# Altium PCB 03200904张晨.PcbDoc
Units mil, origin at the board's own origin, x right, y up, seen from the top; angles counter-clockwise.
Board outline 1377.95 x 669.29 mil, 2 copper layers (Top Layer, Bottom Layer); 18 components, 29 nets, 61 pads, 17 vias.
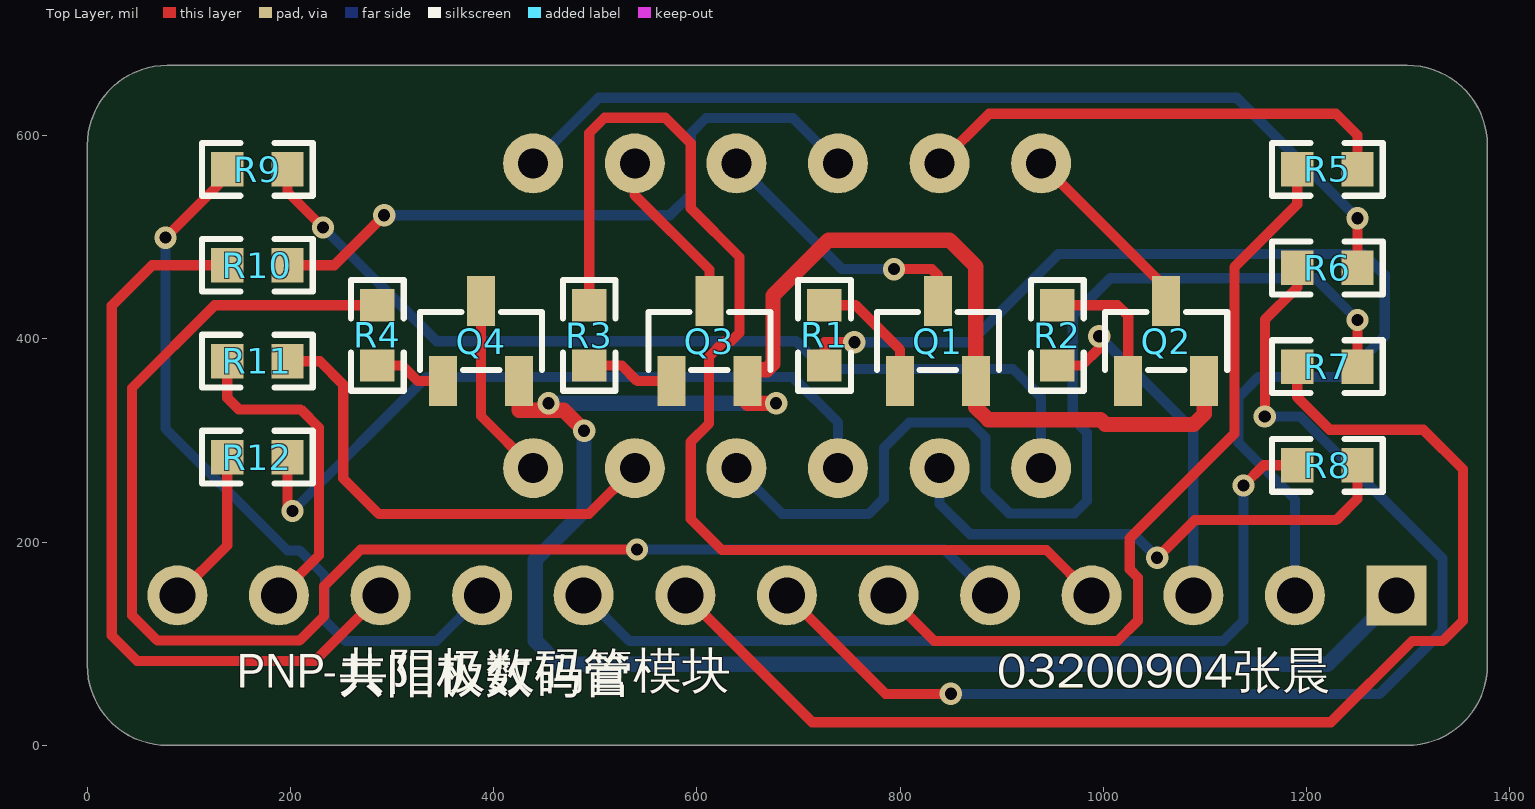
[diagram p0: Top Layer view]
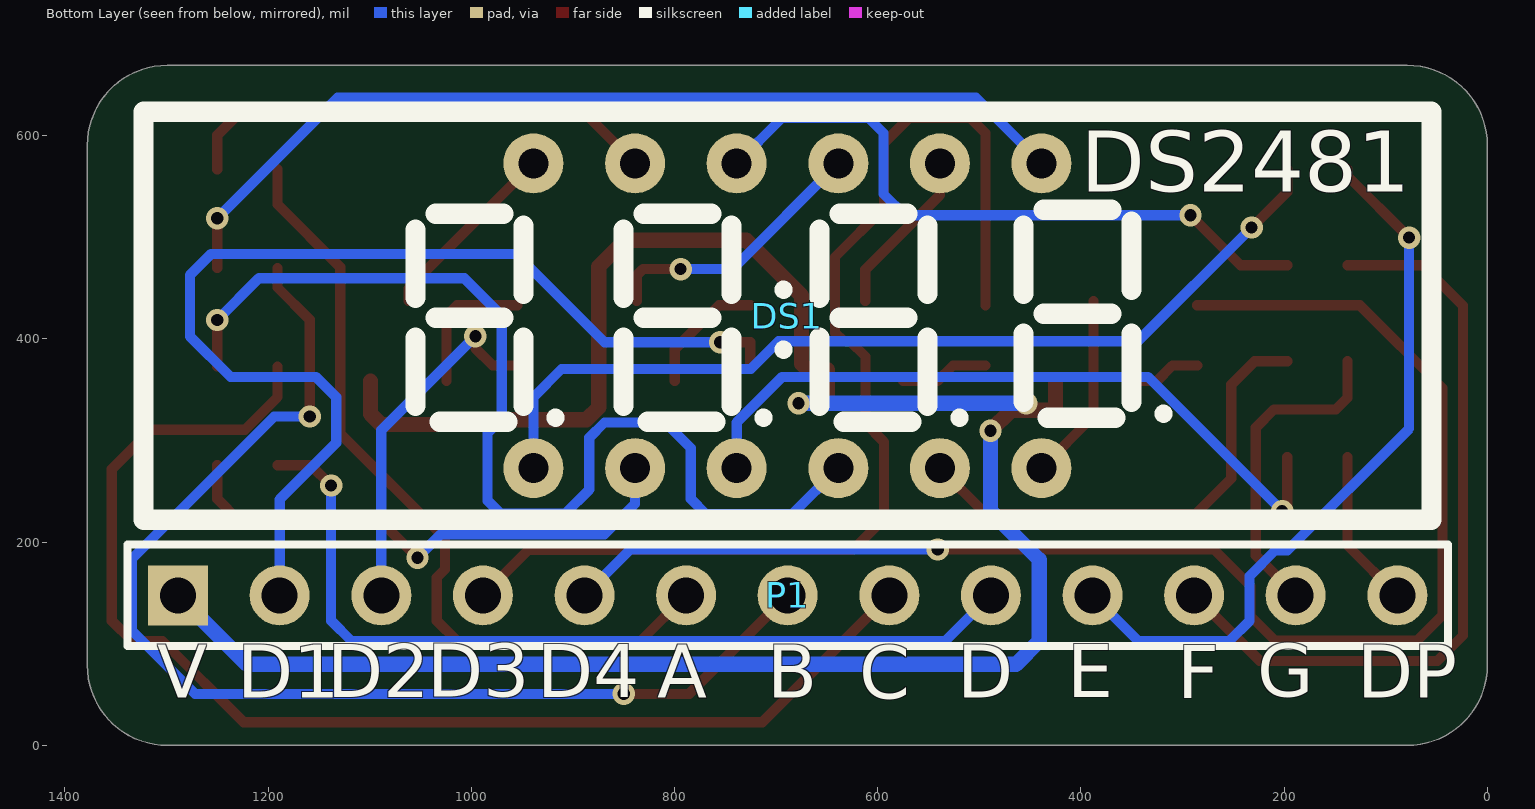
[diagram p1: Bottom Layer view, seen from below]

## Layer stack, top to bottom
Top Solder: solder mask 0.4, Solder Resist, Dk 3.5
Top Layer: signal copper 1.4
Dielectric 1: dielectric 12.6, FR-4, Dk 4.8
Bottom Layer: signal copper 1.4
Bottom Solder: solder mask 0.4, Solder Resist, Dk 3.5

## Board outline
0,78.74 ccw(c78.74,78.74) 78.74,0 1299.21,0 ccw(c1299.21,78.74) 1377.95,78.74 1377.95,590.55 ccw(c1299.21,590.55) 1299.21,669.29 78.74,669.29 ccw(c78.74,590.55) 0,590.55

## Design rules (kind name [scope] priority, off if disabled: settings)
Clearance [All] p1: gap=10 ignorepadtopadclearanceinfootprint=FALSE except(0: Arc-Hole Track-Hole SMDPad-Hole THPad-Hole Via-Hole Fill-Hole Poly-Hole Region-Hole Text-Hole)
PolygonConnect [All] p1: connectstyle=Relief reliefconductorwidth=10 reliefentries=4 polygonreliefangle="90 Angle" airgapwidth=10
RoutingVias [All] p1: holewidth=12 width=22 viastyle="Through Hole" minholewidth=12 minwidth=22 maxholewidth=12 maxwidth=22
SolderMaskExpansion [All] p1: expansion=4 istentingtop=FALSE
Width signal [InNetClass('signal')] p1: maxlimit=10 minlimit=10 preferedwidth=10
Width vcc [InNetClass('vcc')] p2: maxlimit=20 minlimit=10 preferedwidth=15
30 further rules are at their usual default settings.

## Classes and differential pairs
net class signal: A B C D D1 D2 D3 D4 DP E F G NetDS1_1 NetDS1_2 NetDS1_3 NetDS1_4 NetDS1_5 NetDS1_6 NetDS1_7 NetDS1_8 NetDS1_9 NetDS1_10 NetDS1_11 NetDS1_12 NetQ1_1 NetQ2_1 NetQ3_1 NetQ4_1
net class vcc: VCC

## Components (designator, comment, footprint, x,y, rotation, side; value= is the part's Value field where it differs from the comment)
DS1 "DS2481" DS2481 688.82,422.83 r180 bottom
P1 "Header 13" HDR1X13 1288.58,147.64 r180 bottom
Q1 "SS8550_C541706" SOT-23-3 837.14,397.83 r270 top
Q2 "SS8550_C541706" SOT-23-3 1061.93,397.83 r270 top
Q3 "SS8550_C541706" SOT-23-3 612.35,397.83 r270 top
Q4 "SS8550_C541706" SOT-23-3 387.56,397.83 r270 top
R1 "Res1" R0603 725.47,403.54 r270 top value=1K
R2 "Res1" R0603 954.72,403.54 r270 top value=1K
R3 "Res1" R0603 494.02,403.54 r90 top value=1K
R4 "Res1" R0603 285.43,403.54 r90 top value=1K
R5 "Res1" R0603 1220.47,566.97 r0 top value=1K
R6 "Res1" R0603 1220.47,469.84 r0 top value=1K
R7 "Res1" R0603 1220.47,372.72 r0 top value=1K
R8 "Res1" R0603 1220.47,275.59 r0 top value=1K
R9 "Res1" R0603 167.32,566.97 r0 top value=1K
R10 "Res1" R0603 167.32,472.51 r0 top value=1K
R11 "Res1" R0603 167.32,378.05 r0 top value=1K
R12 "Res1" R0603 167.32,283.59 r0 top value=1K

## Footprints (in the part's own frame and the unit in brackets; to place one, negate y for a bottom-side part, rotate by r counter-clockwise, add the part's x,y. Pads: shape width x height; smd on the part's side, far side on the other; paste and mask are expansions set on the pad)
DS2481 [mm] "4位数码管"
  round 1.5 hole 0.75: 1(-6.35,-3.81) 2(-3.81,-3.81) 3(-1.27,-3.81) 4(1.27,-3.81) 5(3.81,-3.81) 6(6.35,-3.81) 7(6.35,3.81) 8(3.81,3.81) 9(1.27,3.81) 10(-1.27,3.81) 11(-3.81,3.81) 12(-6.35,3.81)
  silkscreen extent -16.1,-5.1 16.1,5.1
HDR1X13 [mm] "Connector; Header; 13 Position"
  rect 1.5x1.5 hole 0.9: 1(0,0)
  round 1.5 hole 0.9: 2(2.54,0) 3(5.08,0) 4(7.62,0) 5(10.16,0) 6(12.7,0) 7(15.24,0) 8(17.78,0) 9(20.32,0) 10(22.86,0) 11(25.4,0) 12(27.94,0) 13(30.48,0)
  silkscreen extent -1.27,-1.27 31.75,1.27
R0603 [mil]
  rect 31.75x34.02 smd: 1(-29.66,0) 2(29.65,0)
  silkscreen extent -55,-26 55,26
SOT-23-3 [mm] "SOT-23-3_L2.9-W1.3-P1.90-LS2.4-BR"
  rect 1.25x0.7 smd: 1(1,-0.95) 2(1,0.95) 3(-1,0)
  silkscreen extent -0.73,-1.53 0.73,1.53

## Part data
P1: "Header, 13-Pin", LatestRevisionDate=17-Jul-2002, LatestRevisionNote="Re-released for DXP Platform.", Publisher="Altium Limited"
Q1 Q2 Q3 Q4: BOM_JLCPCB Part Class="Extended Part", BOM_Manufacturer=AnBon, BOM_Manufacturer Part=SS8550, BOM_Supplier=LCSC, BOM_Supplier Part=C541706, Contributor=LCSC, spicePre=Q, spiceSymbolName=SS8550_C541706
R1 R2 R3 R4 R5 R6 R7 R8 R9 R10 R11 R12: library part Res, "Resistor", LatestRevisionDate=17-Jul-2002, LatestRevisionNote="Re-released for DXP Platform.", PackageDescription="Axial Device, Thru-Hole; 2 Leads; 0.3 in Pin Spacing", PackageReference=AXIAL-0.3, Published=8-Jun-2000, Publisher="Altium Limited"

## Via types
v1: diameter 22, hole 12, Top Layer to Bottom Layer, tented both sides, 17 vias

## Nets (pads, with @x,y where several pads share a name; then routed paths per layer and width w, separated by ;. In a path a pad name is that pad's centre, name@x,y a point inside that pad or via, vN(x,y) a via of type N, cw(c..) or ccw(c..) an arc to the next point about the centre after c; other vN are vias at no path point)
A: P1.6 R5.1 | length 788.2
  Top Layer w10: P1.6 833.54,102.68 1013.98,102.68 1033.98,122.68 1033.98,165.22 1025.98,173.22 1025.98,203.68 1128.98,306.68 1128.98,470.68 1190.82,532.52 R5.1
B: P1.7 R6.1 | length 1174.6
  Top Layer w10: P1.7 785.54,50.68 v1(849.98,50.68) ; v1(1158.98,323.68) 1158.98,418.84 1190.82,450.68 R6.1
  Bottom Layer w10: v1(849.98,50.68) 1271.98,50.68 1333.98,112.68 1333.98,183.68 1193.98,323.68 v1(1158.98,323.68)
C: P1.8 R7.1 | length 1230.2
  Top Layer w10: P1.8 713.54,22.68 1223.98,22.68 1303.98,102.68 1333.98,102.68 1353.98,122.68 1353.98,271.68 1314.98,310.68 1222.82,310.68 1190.82,342.68 R7.1
D: P1.9 R8.1 | length 870.4
  Top Layer w10: v1(1137.98,255.68) 1157.89,275.59 R8.1
  Bottom Layer w10: P1.9 533.54,102.68 1117.98,102.68 1137.98,122.68 v1(1137.98,255.68)
D1: P1.2 R1.2 | length 1066
  Top Layer w10: R1.2 725.47,396.68 v1(754.98,396.68)
  Bottom Layer w10: v1(754.98,396.68) 868.98,396.68 955.98,483.68 1255.98,483.68 1276.98,462.68 1276.98,402.68 1236.98,362.68 1152.98,362.68 1132.98,342.68 1132.98,297.68 1188.58,242.07 P1.2
D2: P1.3 R2.2 | length 353.5
  Top Layer w10: R2.2 978.98,373.89 995.98,390.89 v1(995.98,402.68)
  Bottom Layer w10: v1(995.98,402.68) 1088.58,310.07 P1.3
D3: P1.4 R3.2 | length 1125.3
  Top Layer w10: R3.2 494.02,602.72 508.98,617.68 568.98,617.68 593.98,592.68 593.98,528.68 641.98,480.68 641.98,406.08 633.98,398.08 630.98,398.08 630.49,397.6 626.89,397.6 611.98,382.68 611.98,316.68 593.98,298.68 593.98,222.68 624.49,192.17 944.05,192.17 P1.4
D4: P1.5 R4.2 | length 1426.8
  Top Layer w10: R4.2 125.5,433.2 44.05,351.76 44.05,128.03 68.98,103.11 208.98,103.11 233.11,127.24 233.11,156.81 268.98,192.68 v1(540.98,192.68)
  Bottom Layer w10: v1(540.98,192.68) 843.54,192.68 P1.5
DP: P1.13 R12.1 | length 156.3
  Top Layer w10: P1.13 137.67,196.72 R12.1
E: P1.10 R9.1 | length 723
  Top Layer w10: v1(76.98,499.68) 137.67,560.37 R9.1
  Bottom Layer w10: v1(76.98,499.68) 76.98,311.68 196.98,191.68 208.98,191.68 233.98,166.68 233.98,122.68 253.98,102.68 343.62,102.68 P1.10
F: P1.11 R10.1 | length 756.4
  Top Layer w10: R10.1 63.81,472.51 23.98,432.68 23.98,108.11 48.98,83.11 224.05,83.11 P1.11
G: P1.12 R11.1 | length 319.9
  Top Layer w10: R11.1 137.67,341.99 148.98,330.68 209.98,330.68 227.98,312.68 227.98,187.03 P1.12
NetDS1_1: DS1.1 R9.2 | length 917.6
  Top Layer w10: R9.2 196.98,544.68 v1(231.98,509.68)
  Bottom Layer w10: v1(231.98,509.68) 343.98,397.68 697.65,397.68 725,370.32 911.17,370.32 938.82,342.68 DS1.1
NetDS1_2: DS1.2 R8.2 | length 525.3
  Top Layer w10: v1(1052.98,184.68) 1089.98,221.68 1229.13,221.68 1250.13,242.68 R8.2
  Bottom Layer w10: DS1.2 838.82,237.84 868.98,207.68 1029.98,207.68 v1(1052.98,184.68)
NetDS1_3: DS1.3 R12.2 | length 710.1
  Top Layer w10: R12.2 196.98,235.68 v1(201.98,230.68)
  Bottom Layer w10: v1(201.98,230.68) 333.98,362.68 693.98,362.68 738.82,317.84 DS1.3
NetDS1_4: DS1.4 R7.2 | length 1048.7
  Top Layer w10: R7.2 v1(1250.13,418.68)
  Bottom Layer w10: DS1.4 683.98,227.68 768.98,227.68 783.98,242.68 783.98,292.68 808.98,317.68 868.98,317.68 883.98,302.68 883.98,251.68 907.35,228.31 971.61,228.31 983.98,240.68 983.98,307.68 969.98,321.68 969.98,422.68 1006.98,459.68 1209.13,459.68 v1(1250.13,418.68)
NetDS1_5: DS1.5 R11.2 | length 476.9
  Top Layer w10: R11.2 228.98,378.05 251.98,355.05 251.98,262.68 286.98,227.68 493.66,227.68 DS1.5
NetDS1_6: DS1.6 Q4.3 | length 185.6
  Top Layer w10: Q4.3 387.56,324.1 DS1.6
NetDS1_7: DS1.7 R6.2 | length 936
  Top Layer w10: R6.2 v1(1250.13,518.68)
  Bottom Layer w10: DS1.7 503.35,637.36 1131.44,637.36 v1(1250.13,518.68)
NetDS1_8: DS1.8 Q3.3 | length 166.1
  Top Layer w10: DS1.8 538.82,541.56 612.35,468.03 Q3.3
NetDS1_9: DS1.9 Q1.3 | length 269.4
  Top Layer w10: v1(793.98,468.68) 831.14,468.68 837.14,462.68 Q1.3
  Bottom Layer w10: DS1.9 742.98,468.68 v1(793.98,468.68)
NetDS1_10: DS1.10 R10.2 | length 655.4
  Top Layer w10: R10.2 242.98,472.51 v1(292.14,521.68)
  Bottom Layer w10: v1(292.14,521.68) 573.29,521.68 594.29,542.68 594.29,602.68 608.98,617.36 694.29,617.36 DS1.10
NetDS1_11: DS1.11 R5.2 | length 473.9
  Top Layer w10: DS1.11 887.66,621.68 1228.98,621.68 1250.13,600.53 R5.2
NetDS1_12: DS1.12 Q2.3 | length 186.6
  Top Layer w10: DS1.12 1061.93,449.73 Q2.3
NetQ1_1: Q1.1 R1.1 | length 123.5
  Top Layer w10: R1.1 756.21,433.2 799.74,389.68 Q1.1
NetQ2_1: Q2.1 R2.1 | length 138.4
  Top Layer w10: R2.1 1014,433.2 1024.53,422.68 Q2.1
NetQ3_1: Q3.1 R3.1 | length 87.3
  Top Layer w10: R3.1 525.98,373.89 541.4,358.47 Q3.1
NetQ4_1: Q4.1 R4.1 | length 71.1
  Top Layer w10: R4.1 309.98,373.89 325.4,358.47 Q4.1
VCC: P1.1 Q1.2 Q2.2 Q3.2 Q4.2 | length 2240.1
  Top Layer w15: Q4.2 424.96,329.68 v1@453.98,329.68 ; v1(453.98,336.68) v1@453.98,329.68 ; v1(488.98,309.68) 468.98,329.68 v1@453.98,329.68 ; v1(677.98,336.68) 649.75,336.68 Q3.2 649.75,369.68 668.98,369.68 674.98,375.68 674.98,442.68 729.48,497.18 848.48,497.18 874.54,471.11 Q1.2 874.54,332.68 886.7,320.51 997.14,320.51 1001.98,315.68 1088.98,315.68 1099.33,326.03 Q2.2
  Bottom Layer w15: v1(453.98,336.68) v1(677.98,336.68) ; v1(488.98,309.68) 488.98,230.68 440.98,182.68 440.98,102.68 463.98,79.68 1220.62,79.68 P1.1

## Silkscreen, mask and mechanical layers (free items; w line width, h text height)
Top Overlay:
  text "PNP-共阳极数码管模块" at 147.69,44.92 h60
  text "03200904张晨" at 895.56,44.86 h60
  text "共阳极数码管" at 246.06,39.37 h60
Bottom Overlay:
  text "G" at 226.38,30.69 h90
  text "D4" at 935.04,30.28 h90
  text "D3" at 1043.31,30.53 h90
  text "D2" at 1141.73,30.19 h90
  text "DP" at 127.95,29.61 h90
  text "F" at 305.12,29.61 h90
  text "E" at 413.39,30.03 h90
  text "D" at 521.65,29.53 h90
  text "B" at 708.66,29.53 h90
  text "A" at 816.93,29.53 h90
  text "D1" at 1230.32,29.61 h90
  text "V" at 1309.06,29.53 h90
  text "C" at 618.11,28.73 h90
Mechanical 1:
  lines w10: 1496.06,1299.21 cw(c1496.06,1220.47) 1574.8,1220.47 ; 1299.21,669.29 cw(c1299.21,590.55) 1377.95,590.55 ; 1299.21,669.29 cw(c1299.21,590.55) 1377.95,590.55 ; 1299.21,669.29 78.74,669.29 ccw(c78.74,590.55) 0,590.55 0,78.74 ccw(c78.74,78.74) 78.74,0 1299.21,0 ccw(c1299.21,78.74) 1377.95,78.74 1377.95,590.55